# Altium PCB RFSoC-AMC.PcbDoc (part 2 of 12) (continued)
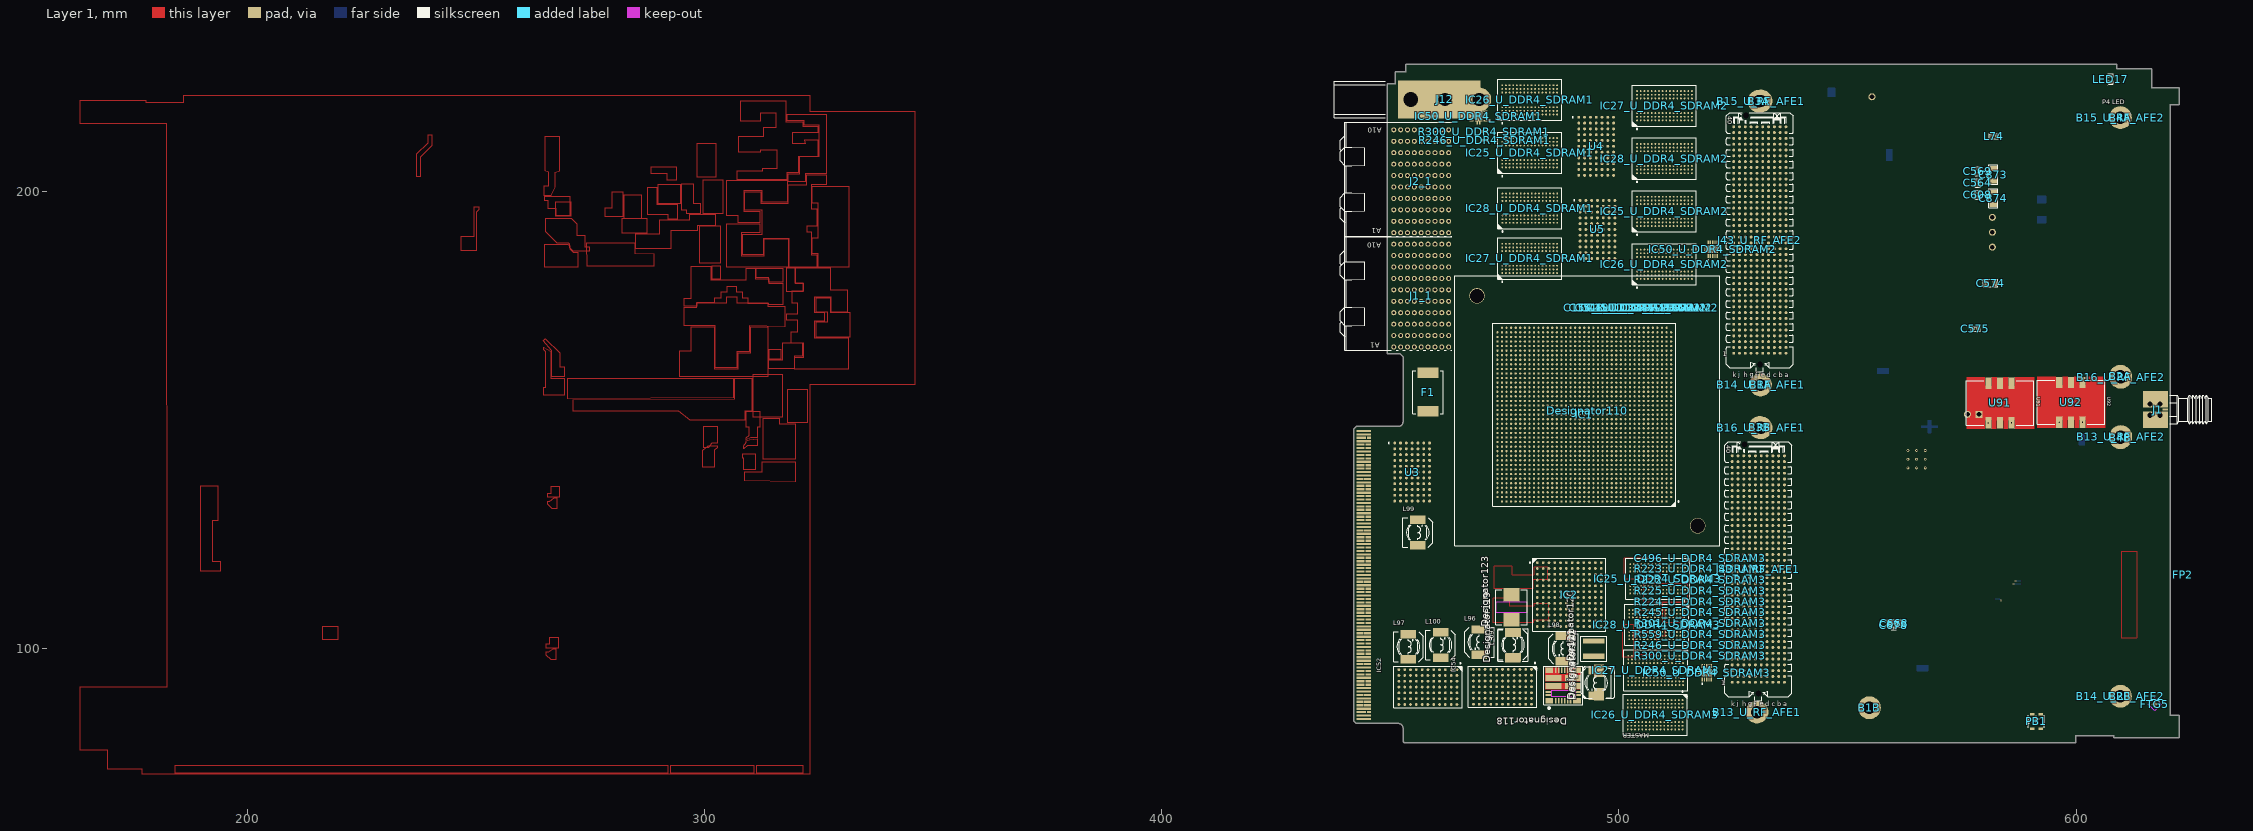
[diagram p0: Layer 1 view]
## Components (designator, comment, footprint, x,y, rotation, side; value= is the part's Value field where it differs from the comment) (continued)
R236_U_DDR4_SDRAM3 "39" RESC1005X40N 508.484,108.094 r90 bottom (schematic designator R236)
R237_U_DDR4_SDRAM1 "39" RESC1005X40N 472.142,214.107 r90 bottom (schematic designator R237)
R237_U_DDR4_SDRAM2 "39" RESC1005X40N 510.909,188.711 r180 bottom (schematic designator R237)
R237_U_DDR4_SDRAM3 "39" RESC1005X40N 508.484,110.472 r90 bottom (schematic designator R237)
R238_U_DDR4_SDRAM1 "39" RESC1005X40N 472.142,206.973 r90 bottom (schematic designator R238)
R238_U_DDR4_SDRAM2 "39" RESC1005X40N 510.909,193.385 r180 bottom (schematic designator R238)
R238_U_DDR4_SDRAM3 "39" RESC1005X40N 508.484,103.338 r90 bottom (schematic designator R238)
R239_U_DDR4_SDRAM1 "39" RESC1005X40N 472.142,209.351 r90 bottom (schematic designator R239)
R239_U_DDR4_SDRAM2 "39" RESC1005X40N 510.909,191.827 r180 bottom (schematic designator R239)
R239_U_DDR4_SDRAM3 "39" RESC1005X40N 508.484,105.716 r90 bottom (schematic designator R239)
R240_U_DDR4_SDRAM1 "39" RESC1005X40N 472.142,216.485 r90 bottom (schematic designator R240)
R240_U_DDR4_SDRAM2 "39" RESC1005X40N 510.909,187.153 r180 bottom (schematic designator R240)
R240_U_DDR4_SDRAM3 "39" RESC1005X40N 508.484,112.85 r90 bottom (schematic designator R240)
R241_U_DDR4_SDRAM1 "39" RESC1005X40N 481.201,196.928 r90 bottom (schematic designator R241)
R241_U_DDR4_SDRAM2 "39" RESC1005X40N 513.287,213.639 r180 bottom (schematic designator R241)
R241_U_DDR4_SDRAM3 "39" RESC1005X40N 508.484,119.984 r90 bottom (schematic designator R241)
R242_U_DDR4_SDRAM1 "39" RESC1005X40N 481.201,199.306 r90 bottom (schematic designator R242)
R242_U_DDR4_SDRAM2 "39" RESC1005X40N 513.287,212.081 r180 bottom (schematic designator R242)
R242_U_DDR4_SDRAM3 "39" RESC1005X40N 506.926,81.936 r90 bottom (schematic designator R242)
R243_U_DDR4_SDRAM1 "39" RESC1005X40N 481.201,192.172 r90 bottom (schematic designator R243)
R243_U_DDR4_SDRAM2 "39" RESC1005X40N 510.909,185.595 r180 bottom (schematic designator R243)
R243_U_DDR4_SDRAM3 "39" RESC1005X40N 508.484,115.228 r90 bottom (schematic designator R243)
R244_U_DDR4_SDRAM1 "39" RESC1005X40N 481.201,194.55 r90 bottom (schematic designator R244)
R244_U_DDR4_SDRAM2 "39" RESC1005X40N 510.909,184.037 r180 bottom (schematic designator R244)
R244_U_DDR4_SDRAM3 "39" RESC1005X40N 508.484,117.606 r90 bottom (schematic designator R244)
R245_U_DDR4_SDRAM1 "39" RESC1005X40N 473.7,197.461 r90 bottom (schematic designator R245)
R245_U_DDR4_SDRAM2 "39" RESC1005X40N 517.286,192.129 r180 bottom (schematic designator R245)
R245_U_DDR4_SDRAM3 "39" RESC1005X40N 517.748,107.932 r90 top (schematic designator R245)
R246_U_DDR4_SDRAM1 "39" RESC1005X40N 470.713,211.201 r180 top (schematic designator R246)
R246_U_DDR4_SDRAM2 "39" RESC1005X40N 517.286,196.803 r180 bottom (schematic designator R246)
R246_U_DDR4_SDRAM3 "39" RESC1005X40N 517.748,100.798 r90 top (schematic designator R246)
R300_U_DDR4_SDRAM1 "10k" RESC1005X40N 470.56,213.106 r180 top (schematic designator R300)
R300_U_DDR4_SDRAM2 "10k" RESC1005X40N 517.286,198.361 r180 bottom (schematic designator R300)
R300_U_DDR4_SDRAM3 "10k" RESC1005X40N 517.748,98.42 r90 top (schematic designator R300)
R301_U_DDR4_SDRAM1 "10k" RESC1005X40N 473.7,195.083 r90 bottom (schematic designator R301)
R301_U_DDR4_SDRAM2 "10k" RESC1005X40N 517.286,193.687 r180 bottom (schematic designator R301)
R301_U_DDR4_SDRAM3 "10k" RESC1005X40N 517.748,105.554 r90 top (schematic designator R301)
R358 "12.0K" 0201 555.019,103.582 r90 bottom
R359 "12.0K" 0201 557.254,103.582 r90 bottom
R360 "12.0K" 0201 562.842,103.582 r90 bottom
R366 "100" 0402 580.947,108.532 r0 bottom
R376 "4.70K" 0402 556.743,134.551 r90 bottom
R377 "DNP" 0402 570.759,134.184 r90 bottom
R378 "4.70K" 0402 560.059,134.551 r90 bottom
R379 "40.2" 0402 558.401,134.551 r90 bottom
R409 "475" 0402 578.026,184.885 r0 bottom
R410 "1.00K" 0402 578.026,183.227 r0 bottom
R472 "11.3K" 0402 578.026,191.517 r0 bottom
R473 "13.3K" 0402 578.026,189.859 r0 bottom
R474 "11.3K" 0402 578.026,188.201 r0 bottom
R475 "13.3K" 0402 578.026,181.569 r0 bottom
R477 "10" 0402 578.026,174.937 r0 bottom
R478 "10" 0402 578.026,173.279 r0 bottom
R479 "0.005" 1224_SMT 589.096,182.946 r90 bottom
R533 "10" 0402 578.026,171.621 r0 bottom
R534 "10" 0402 578.026,179.911 r0 bottom
R535 "0.005" 1224_SMT 589.096,175.268 r90 bottom
R536 "10" 0402 578.026,178.253 r0 bottom
R537 "10" 0402 578.026,176.595 r0 bottom
R538 "0.005" 1224_SMT 589.096,167.589 r90 bottom
R545 "330" 0402 552.842,102.109 r0 bottom
R552_U_ADC_PLL1 "100" 0402 547.511,165.77 r90 bottom (schematic designator R552)
R552_U_ADC_PLL2 "100" 0402 567.598,194.98 r180 bottom (schematic designator R552)
R554 "100" 0402 560.347,102.285 r90 bottom
R559_U_DDR4_SDRAM1 "10k" RESC1005X40N 473.7,192.705 r90 bottom (schematic designator R559)
R559_U_DDR4_SDRAM2 "10k" RESC1005X40N 517.286,195.245 r180 bottom (schematic designator R559)
R559_U_DDR4_SDRAM3 "10k" RESC1005X40N 517.748,103.176 r90 top (schematic designator R559)
R560_U_ADC_PLL1 "18" 0402 565.749,163.156 r90 bottom (schematic designator R560)
R560_U_ADC_PLL2 "18" 0402 559.757,196.638 r180 bottom (schematic designator R560)
R562_U_ADC_PLL1 "68.1" 0402 549.169,165.77 r90 bottom (schematic designator R562)
R562_U_ADC_PLL2 "68.1" 0402 557.143,196.638 r180 bottom (schematic designator R562)
R563_U_ADC_PLL1 "10.0K" 0402 552.485,165.77 r90 bottom (schematic designator R563)
R563_U_ADC_PLL2 "10.0K" 0402 554.529,196.638 r180 bottom (schematic designator R563)
R564_U_ADC_PLL1 "DNP" 0402 550.827,165.77 r90 bottom (schematic designator R564)
R564_U_ADC_PLL2 "DNP" 0402 557.143,194.98 r180 bottom (schematic designator R564)
R565_U_ADC_PLL1 "330" 0402 559.117,163.156 r90 bottom (schematic designator R565)
R565_U_ADC_PLL2 "330" 0402 554.529,194.98 r180 bottom (schematic designator R565)
R581 "0" 0402 558.841,100.583 r90 bottom
R582 "18" 0402 562.005,102.285 r90 bottom
R583 "68.1" 0402 565.321,102.285 r90 bottom
R584 "10.0K" 0402 563.663,102.285 r90 bottom
R585 "DNP" 0402 557.183,100.583 r90 bottom
R621 "43.0" 0402 583.561,108.532 r0 bottom
R622 "43.0" 0402 586.175,108.532 r0 bottom
R623 "240" 0402 599.446,135.995 r0 bottom
R624 "240" 0402 591.605,135.995 r0 bottom
R627 "240" 0402 594.218,135.995 r0 bottom
R628 "240" 0402 602.06,135.995 r0 bottom
R631 "240" 0402 581.149,134.337 r0 bottom
R632 "240" 0402 583.763,134.337 r0 bottom
R635 "0" 0402 575.922,134.337 r0 bottom
R636 "43.0" 0402 578.333,108.532 r0 bottom
R637 "100" 0402 587.838,96.213 r0 bottom
R640 "DNP" 0402 578.536,134.337 r0 bottom
R641 "DNP" 0402 584.574,144.728 r0 bottom
R642 "DNP" 0402 588.991,135.995 r0 bottom
R643 "DNP" 0402 599.446,137.653 r0 bottom
R644 "95.3" 0402 602.06,137.653 r0 bottom
R645 "82.5" 0402 594.218,137.653 r0 bottom
R646 "82.5" 0402 596.832,137.653 r0 bottom
R647 "49.9" 0402 575.922,135.995 r0 bottom
R648 "0" 0402 583.763,135.995 r0 bottom
R649 "0" 0402 586.377,135.995 r0 bottom
R650 "1.00K" 0402 578.536,135.995 r0 bottom
R651 "220K" 0402 581.149,135.995 r0 bottom
R652 "330" 0402 581.96,143.071 r0 bottom
R653 "17.8" 0402 610.112,160.069 r0 bottom
R654 "49.9" 0402 611.211,161.389 r0 bottom
R655 "270" 0402 603.37,161.389 r0 bottom
R656 "270" 0402 605.983,161.389 r0 bottom
R657 "DNP" 0402 608.597,161.389 r0 bottom
R658 "10" 0402 577.914,148.982 r90 bottom
R659 "0" 0402 576.256,151.595 r90 bottom
R660 "DNP" 0402 576.256,148.982 r90 bottom
R661 "DNP" 0402 577.914,146.368 r90 bottom
R662 "49.9" 0402 577.914,143.754 r90 bottom
R667 "2.61K" 0402 561.13,220.378 r270 bottom
R669 "464" 0402 559.472,220.378 r270 bottom
R677_U_ADC_PLL1 "0" 0402 557.459,163.156 r90 bottom (schematic designator R677)
R677_U_ADC_PLL2 "0" 0402 551.916,194.98 r180 bottom (schematic designator R677)
R678 "0" 0402 557.257,103.022 r90 bottom
R706_U_ADC_PLL1 "49.9" 0402 560.775,163.156 r90 bottom (schematic designator R706)
R706_U_ADC_PLL2 "49.9" 0402 564.985,194.98 r180 bottom (schematic designator R706)
R707_U_ADC_PLL1 "49.9" 0402 564.091,163.156 r90 bottom (schematic designator R707)
R707_U_ADC_PLL2 "49.9" 0402 562.371,194.98 r180 bottom (schematic designator R707)
R708_U_ADC_PLL1 "49.9" 0402 562.433,163.156 r90 bottom (schematic designator R708)
R708_U_ADC_PLL2 "49.9" 0402 559.757,194.98 r180 bottom (schematic designator R708)
R713 "49.9" 0402 555.599,103.022 r90 bottom
R714 "49.9" 0402 558.915,103.022 r90 bottom
R715 "49.9" 0402 555.525,100.583 r90 bottom
R716 "49.9" 0402 553.867,100.583 r90 bottom
U1_U_ADC_PLL1 "LMX2594RHAT" VQFN_40_RHA_EP4_5MM 562.174,173.938 r180 bottom (schematic designator U1)
U1_U_ADC_PLL2 "LMX2594RHAT" VQFN_40_RHA_EP4_5MM 565.162,205.226 r90 bottom (schematic designator U1)
U2 "LMX2594RHAT" VQFN_40_RHA_EP4_5MM 564.95,110.526 r270 bottom
U3 "LTM4644IY#PBF" LT-BGA-77-05-08-1900_V 454.787,138.633 r0 top
U4 "LTM4644IY#PBF" LT-BGA-77-05-08-1900_V 495.046,209.88 r0 top
U5 "LTM4644IY#PBF" LT-BGA-77-05-08-1900_V 495.325,191.694 r0 top
U50 "SI5341B" OSC_SI341B_64P 565.118,141.453 r180 bottom
U71 "INA226" DGS_MSOP_10 592.926,204.127 r90 bottom
U72 "IFX1763" PG_TSON_10 592.477,189.404 r90 bottom
U78 "ISL80112" DFN_10P_3X3_ISL80 592.501,193.82 r90 bottom
U84 "INA226" DGS_MSOP_10 581.169,167.843 r90 bottom
U85 "INA226" DGS_MSOP_10 592.926,211.124 r90 bottom
U90 "LMK04208" WQFN_64_EP 594.865,148.577 r90 bottom
U91 "VX-501-0251-122M88" OSC_VECTRON_TX500 583.336,153.74 r90 top
U92 "TCXO 12.8MHZ 3.3V HCMOS" OSC_VECTRON_TX500 598.856,153.873 r90 top
U98 "LMK00304SQ" WQFN_32 586.641,100.532 r180 bottom
U100 "ISL80103" DFN_10P_3X3_ISL80 546.51,221.667 r0 bottom
U101 "ISL80112" DFN_10P_3X3_ISL80 592.501,198.236 r90 bottom
U106 "LMK00804BPW" TSSOP_16 585.085,112.54 r180 bottom
X7 "48.00MHZ" XTAL_FA238A 567.926,148.552 r180 bottom
Z41 "0201_SHORT" 0201_SHORT 578.482,195.14 r0 bottom
Z42 "0201_SHORT" 0201_SHORT 578.482,192.905 r0 bottom
Z43 "0201_SHORT" 0201_SHORT 578.482,194.023 r0 bottom

## Footprints (in the part's own frame and the unit in brackets; to place one, negate y for a bottom-side part, rotate by r counter-clockwise, add the part's x,y. Pads: shape width x height; smd on the part's side, far side on the other; paste and mask are expansions set on the pad)
0201 [mm] "0201"
  rect 0.38x0.38 smd: 1(-0.292,0) 2(0.292,0)
  body extent -0.58,-0.3 0.58,0.3, height 3.81
0201_SHORT [mil] "0201_SHORT"
  rect 14.96x14.96 smd: 1(-11.5,0)
  oct 1x1 smd: 2(11.5,0)
  body extent -23,-12 23,12, height 150
0402 [mm]
  rect 0.6x0.6 smd: 1(-0.45,0) 2(0.45,0)
  silkscreen extent -0.99,-0.5 0.97,0.5, body extent -0.52,-0.27 0.53,0.28, height 0.4
0805 [mm]
  rect 1x1.25 smd: 1(-0.889,0) 2(0.889,0)
  silkscreen extent -1.57,-0.81 1.57,0.81, body extent -1.1,-0.67 1.1,0.68, height 0.5
1206 [mm]
  rect 1.1x1.65 smd: 1(-1.372,0) 2(1.372,0)
  silkscreen extent -2.11,-1.02 2.11,1.02, body extent -1.67,-0.87 1.68,0.88, height 0.65
1224_SMT [mm] "1224_SMT"
  rect 1.4x3.3 smd: I1(-1.8,-2.15) I2(1.8,-2.15) V1(-1.8,2.15) V2(1.8,2.15)
  silkscreen extent -2.82,-4.12 2.82,4.12, body extent -3.18,-4.44 3.18,4.44, height 3.81
342947 [mm] "AAVID 342947"
  round 3.4 hole 3.1: 1(-24.14,25.15) 2(24.13,-25.15)
  silkscreen extent -28.95,-29.5 28.95,29.5, body extent -28.95,-29.5 28.95,29.5, height 14.5
AMC-GF-2D-750-O274 [mm] "Golden finger, AMC, Dual, Opposite, Pitch 0.75mm, 170-Position"
  rect 0.48x3.1 smd far side paste-3.4: 1(-31.5,0) 2(-30.75,0) 4(-29.25,0) 7(-27,0) 9(-25.5,0) 10(-24.75,0) 13(-22.5,0) 16(-20.25,0) 18(-18.75,0) 19(-18,0) 22(-15.75,0) 25(-13.5,0) 27(-12,0) 28(-11.25,0) 31(-9,0) 34(-6.75,0) 37(-4.5,0) 40(-2.25,0) 42(-0.75,0) 43(0,0) 46(2.25,0) 49(4.5,0) 52(6.75,0) 55(9,0) 57(10.5,0) 58(11.25,0) 61(13.5,0) 64(15.75,0) 67(18,0) 70(20.25,0) 72(21.75,0) 73(22.5,0) 76(24.75,0) 79(27,0) 82(29.25,0) 84(30.75,0) 85(31.5,0)
  rect 0.48x0.9 smd far side paste-3.4: 3(-30,1.1) 83(30,1.1)
  rect 0.48x1.575 smd far side paste-3.4: 5(-28.5,0.763) 6(-27.75,0.763) 8(-26.25,0.763) 17(-19.5,0.763) 26(-12.75,0.763) 41(-1.5,0.763) 56(9.75,0.763) 71(21,0.763)
  rect 0.48x1.2 smd far side paste-3.4: 11(-24,0.95) 12(-23.25,0.95) 14(-21.75,0.95) 15(-21,0.95) 20(-17.25,0.95) 21(-16.5,0.95) 23(-15,0.95) 24(-14.25,0.95) 29(-10.5,0.95) 30(-9.75,0.95) 32(-8.25,0.95) 33(-7.5,0.95) 35(-6,0.95) 36(-5.25,0.95) 38(-3.75,0.95) 39(-3,0.95) 44(0.75,0.95) 45(1.5,0.95) 47(3,0.95) 48(3.75,0.95) 50(5.25,0.95) 51(6,0.95) 53(7.5,0.95) 54(8.25,0.95) 59(12,0.95) 60(12.75,0.95) 62(14.25,0.95) 63(15,0.95) 65(16.5,0.95) 66(17.25,0.95) 68(18.75,0.95) 69(19.5,0.95) 74(23.25,0.95) 75(24,0.95) 77(25.5,0.95) 78(26.25,0.95) 80(27.75,0.95) 81(28.5,0.95)
  rect 0.48x3.1 smd paste-3.4: 86(31.5,0) 89(29.25,0) 92(27,0) 95(24.75,0) 98(22.5,0) 101(20.25,0) 104(18,0) 107(15.75,0) 110(13.5,0) 113(11.25,0) 116(9,0) 119(6.75,0) 122(4.5,0) 125(2.25,0) 128(0,0) 131(-2.25,0) 134(-4.5,0) 137(-6.75,0) 140(-9,0) 143(-11.25,0) 146(-13.5,0) 149(-15.75,0) 152(-18,0) 155(-20.25,0) 158(-22.5,0) 161(-24.75,0) 164(-27,0) 170(-31.5,0)
  rect 0.48x1.2 smd paste-3.4: 87(30.75,0.95) 88(30,0.95) 90(28.5,0.95) 91(27.75,0.95) 93(26.25,0.95) 94(25.5,0.95) 96(24,0.95) 97(23.25,0.95) 99(21.75,0.95) 100(21,0.95) 102(19.5,0.95) 103(18.75,0.95) 105(17.25,0.95) 106(16.5,0.95) 108(15,0.95) 109(14.25,0.95) 111(12.75,0.95) 112(12,0.95) 114(10.5,0.95) 115(9.75,0.95) 117(8.25,0.95) 118(7.5,0.95) 120(6,0.95) 121(5.25,0.95) 123(3.75,0.95) 124(3,0.95) 126(1.5,0.95) 127(0.75,0.95) 129(-0.75,0.95) 130(-1.5,0.95) 132(-3,0.95) 133(-3.75,0.95) 135(-5.25,0.95) 136(-6,0.95) 138(-7.5,0.95) 139(-8.25,0.95) 141(-9.75,0.95) 142(-10.5,0.95) 144(-12,0.95) 145(-12.75,0.95) 147(-14.25,0.95) 148(-15,0.95) 150(-16.5,0.95) 151(-17.25,0.95) 153(-18.75,0.95) 154(-19.5,0.95) 156(-21,0.95) 157(-21.75,0.95) 159(-23.25,0.95) 160(-24,0.95) 162(-25.5,0.95) 163(-26.25,0.95)
  rect 0.48x1.575 smd paste-3.4: 165(-27.75,0.763) 166(-28.5,0.763) 167(-29.25,0.763) 168(-30,0.763) 169(-30.75,0.763)
  rect 0.48x1.325 smd far side paste-3.4: 171(-1.5,-0.887) 173(-12.75,-0.887) 178(-19.5,-0.887) 183(-26.25,-0.887) 184(-27.75,-0.887) 185(-28.5,-0.887) 204(21,-0.887) 218(9.75,-0.887)
  rect 0.48x1.7 smd far side paste-3.4: 172(-10.5,-0.7) 174(-14.25,-0.7) 175(-15,-0.7) 176(-16.5,-0.7) 177(-17.25,-0.7) 179(-21,-0.7) 180(-21.75,-0.7) 181(-23.25,-0.7) 182(-24,-0.7) 186(-3,-0.7) 187(-3.75,-0.7) 189(-5.25,-0.7) 190(-6,-0.7) 191(-7.5,-0.7) 192(-8.25,-0.7) 193(-9.75,-0.7) 194(0.75,-0.7) 195(1.5,-0.7) 196(12,-0.7) 197(12.75,-0.7) 198(14.25,-0.7) 199(15,-0.7) 200(16.5,-0.7) 201(17.25,-0.7) 202(18.75,-0.7) 203(19.5,-0.7) 205(23.25,-0.7) 206(24,-0.7) 207(25.5,-0.7) 208(26.25,-0.7) 209(27.75,-0.7) 210(28.5,-0.7) 211(3,-0.7) 212(3.75,-0.7) 214(5.25,-0.7) 215(6,-0.7) 216(7.5,-0.7) 217(8.25,-0.7)
  rect 0.48x2 smd far side paste-3.4: 188(-30,-0.55) 213(30,-0.55)
  rect 0.48x1.7 smd paste-3.4: 219(-0.75,-0.7) 220(-1.5,-0.7) 221(-10.5,-0.7) 222(-12,-0.7) 223(-12.75,-0.7) 224(-14.25,-0.7) 225(-15,-0.7) 226(-16.5,-0.7) 227(-17.25,-0.7) 228(-18.75,-0.7) 229(-19.5,-0.7) 230(-21,-0.7) 231(-21.75,-0.7) 232(-23.25,-0.7) 233(-24,-0.7) 234(-25.5,-0.7) 235(-26.25,-0.7) 239(-3,-0.7) 240(-3.75,-0.7) 243(-5.25,-0.7) 244(-6,-0.7) 245(-7.5,-0.7) 246(-8.25,-0.7) 247(-9.75,-0.7) 248(0.75,-0.7) 249(1.5,-0.7) 250(10.5,-0.7) 251(12,-0.7) 251(12.75,-0.7) 252(14.25,-0.7) 253(15,-0.7) 254(16.5,-0.7) 255(17.25,-0.7) 256(18.75,-0.7) 257(19.5,-0.7) 258(21,-0.7) 259(21.75,-0.7) 260(23.25,-0.7) 261(24,-0.7) 262(25.5,-0.7) 263(26.25,-0.7) 264(27.75,-0.7) 265(28.5,-0.7) 266(3,-0.7) 267(3.75,-0.7) 268(30,-0.7) 269(30.75,-0.7) 270(5.25,-0.7) 271(6,-0.7) 272(7.5,-0.7) 273(8.25,-0.7) 274(9.75,-0.7)
  rect 0.48x1.325 smd paste-3.4: 236(-27.75,-0.887) 237(-28.5,-0.887) 238(-29.25,-0.887) 241(-30,-0.887) 242(-30.75,-0.887)
BGA77C127P7X11_900X1500X512 [mm]
  round 0.6 smd paste+0 mask+0.01: A1(-3.81,6.35) A2(-2.54,6.35) A3(-1.27,6.35) A4(0,6.35) A5(1.27,6.35) A6(2.54,6.35) A7(3.81,6.35) B1(-3.81,5.08) B2(-2.54,5.08) B3(-1.27,5.08) B4(0,5.08) B5(1.27,5.08) B6(2.54,5.08) B7(3.81,5.08) C1(-3.81,3.81) C2(-2.54,3.81) C3(-1.27,3.81) C4(0,3.81) C5(1.27,3.81) C6(2.54,3.81) C7(3.81,3.81) D1(-3.81,2.54) D2(-2.54,2.54) D3(-1.27,2.54) D4(0,2.54) D5(1.27,2.54) D6(2.54,2.54) D7(3.81,2.54) E1(-3.81,1.27) E2(-2.54,1.27) E3(-1.27,1.27) E4(0,1.27) E5(1.27,1.27) E6(2.54,1.27) E7(3.81,1.27) F1(-3.81,0) F2(-2.54,0) F3(-1.27,0) F4(0,0) F5(1.27,0) F6(2.54,0) F7(3.81,0) G1(-3.81,-1.27) G2(-2.54,-1.27) G3(-1.27,-1.27) G4(0,-1.27) G5(1.27,-1.27) G6(2.54,-1.27) G7(3.81,-1.27) H1(-3.81,-2.54) H2(-2.541,-2.54) H3(-1.27,-2.54) H4(-0.001,-2.54) H5(1.27,-2.54) H6(2.54,-2.54) H7(3.81,-2.54) J1(-3.81,-3.81) J2(-2.54,-3.81) J3(-1.27,-3.81) J4(0,-3.81) J5(1.27,-3.81) J6(2.54,-3.81) J7(3.81,-3.81) K1(-3.81,-5.08) K2(-2.54,-5.08) K3(-1.27,-5.08) K4(0,-5.08) K5(1.27,-5.08) K6(2.54,-5.08) K7(3.81,-5.08) L1(-3.81,-6.35) L2(-2.54,-6.35) L3(-1.27,-6.35) L4(0,-6.35) L5(1.27,-6.35) L6(2.54,-6.35) L7(3.81,-6.35)
  silkscreen extent -5.33,-7.5 4.5,7.5, body extent -4.11,-6.65 4.11,6.65, height 5.12
BGA96C80P9X16_900X1400X120 [mm] "BGA 0.8mm, Pitch, Square 96 Pin, 9 Columns x 16 Rows, Body 14mm X 9mm X 1.2mm H"
  round 0.4 smd: A1(-3.2,6) A2(-2.4,6) A3(-1.6,6) A7(1.6,6) A8(2.4,6) A9(3.2,6) B1(-3.2,5.2) B2(-2.4,5.2) B3(-1.6,5.2) B7(1.6,5.2) B8(2.4,5.2) B9(3.2,5.2) C1(-3.2,4.4) C2(-2.4,4.4) C3(-1.6,4.4) C7(1.6,4.4) C8(2.4,4.4) C9(3.2,4.4) D1(-3.2,3.6) D2(-2.4,3.6) D3(-1.6,3.6) D7(1.6,3.6) D8(2.4,3.6) D9(3.2,3.6) E1(-3.2,2.8) E2(-2.4,2.8) E3(-1.6,2.8) E7(1.6,2.8) E8(2.4,2.8) E9(3.2,2.8) F1(-3.2,2) F2(-2.4,2) F3(-1.6,2) F7(1.6,2) F8(2.4,2) F9(3.2,2) G1(-3.2,1.2) G2(-2.4,1.2) G3(-1.6,1.2) G7(1.6,1.2) G8(2.4,1.2) G9(3.2,1.2) H1(-3.2,0.4) H2(-2.4,0.4) H3(-1.6,0.4) H7(1.6,0.4) H8(2.4,0.4) H9(3.2,0.4) J1(-3.2,-0.4) J2(-2.4,-0.4) J3(-1.6,-0.4) J7(1.6,-0.4) J8(2.4,-0.4) J9(3.2,-0.4) K1(-3.2,-1.2) K2(-2.4,-1.2) K3(-1.6,-1.2) K7(1.6,-1.2) K8(2.4,-1.2) K9(3.2,-1.2) L1(-3.2,-2) L2(-2.4,-2) L3(-1.6,-2) L7(1.6,-2) L8(2.4,-2) L9(3.2,-2) M1(-3.2,-2.8) M2(-2.4,-2.8) M3(-1.6,-2.8) M7(1.6,-2.8) M8(2.4,-2.8) M9(3.2,-2.8) N1(-3.2,-3.6) N2(-2.4,-3.6) N3(-1.6,-3.6) N7(1.6,-3.6) N8(2.4,-3.6) N9(3.2,-3.6) P1(-3.2,-4.4) P2(-2.4,-4.4) P3(-1.6,-4.4) P7(1.6,-4.4) P8(2.4,-4.4) P9(3.2,-4.4) R1(-3.2,-5.2) R2(-2.4,-5.2) R3(-1.6,-5.2) R7(1.6,-5.2) R8(2.4,-5.2) R9(3.2,-5.2) T1(-3.2,-6) T2(-2.4,-6) T3(-1.6,-6) T7(1.6,-6) T8(2.4,-6) T9(3.2,-6)
  silkscreen extent -5.22,-7 4.5,7, body extent -4.57,-7.07 4.58,7.08, height 1.2
BGA144C127P12X12_1600X1600X521 [mm] "BGA, 1.27mm Pitch, Square; 144 Pin, 12 Columns X 12 Rows,16.00mm X 16.00mm X 5.21mm H"
  round 0.6 smd: A1(-6.985,6.985) A2(-5.715,6.985) A3(-4.445,6.985) A4(-3.175,6.985) A5(-1.905,6.985) A6(-0.635,6.985) A7(0.635,6.985) A8(1.905,6.985) A9(3.175,6.985) A10(4.445,6.985) A11(5.715,6.985) A12(6.985,6.985) B1(-6.985,5.715) B2(-5.715,5.715) B3(-4.445,5.715) B4(-3.175,5.715) B5(-1.905,5.715) B6(-0.635,5.715) B7(0.635,5.715) B8(1.905,5.715) B9(3.175,5.715) B10(4.445,5.715) B11(5.715,5.715) B12(6.985,5.715) C1(-6.985,4.445) C2(-5.715,4.445) C3(-4.445,4.445) C4(-3.175,4.445) C5(-1.905,4.445) C6(-0.635,4.445) C7(0.635,4.445) C8(1.905,4.445) C9(3.175,4.445) C10(4.445,4.445) C11(5.715,4.445) C12(6.985,4.445) D1(-6.985,3.175) D2(-5.715,3.175) D3(-4.445,3.175) D4(-3.175,3.175) D5(-1.905,3.175) D6(-0.635,3.175) D7(0.635,3.175) D8(1.905,3.175) D9(3.175,3.175) D10(4.445,3.175) D11(5.715,3.175) D12(6.985,3.175) E1(-6.985,1.905) E2(-5.715,1.905) E3(-4.445,1.905) E4(-3.175,1.905) E5(-1.905,1.905) E6(-0.635,1.905) E7(0.635,1.905) E8(1.905,1.905) E9(3.175,1.905) E10(4.445,1.905) E11(5.715,1.905) E12(6.985,1.905) F1(-6.985,0.635) F2(-5.715,0.635) F3(-4.445,0.635) F4(-3.175,0.635) F5(-1.905,0.635) F6(-0.635,0.635) F7(0.635,0.635) F8(1.905,0.635) F9(3.175,0.635) F10(4.445,0.635) F11(5.715,0.635) F12(6.985,0.635) G1(-6.985,-0.635) G2(-5.715,-0.635) G3(-4.445,-0.635) G4(-3.175,-0.635) G5(-1.905,-0.635) G6(-0.635,-0.635) G7(0.635,-0.635) G8(1.905,-0.635) G9(3.175,-0.635) G10(4.445,-0.635) G11(5.715,-0.635) G12(6.985,-0.635) H1(-6.985,-1.905) H2(-5.715,-1.905) H3(-4.445,-1.905) H4(-3.175,-1.905) H5(-1.905,-1.905) H6(-0.635,-1.905) H7(0.635,-1.905) H8(1.905,-1.905) H9(3.175,-1.905) H10(4.445,-1.905) H11(5.715,-1.905) H12(6.985,-1.905) J1(-6.985,-3.175) J2(-5.715,-3.175) J3(-4.445,-3.175) J4(-3.175,-3.175) J5(-1.905,-3.175) J6(-0.635,-3.175) J7(0.635,-3.175) J8(1.905,-3.175) J9(3.175,-3.175) J10(4.445,-3.175) J11(5.715,-3.175) J12(6.985,-3.175) K1(-6.985,-4.445) K2(-5.715,-4.445) K3(-4.445,-4.445) K4(-3.175,-4.445) K5(-1.905,-4.445) K6(-0.635,-4.445) K7(0.635,-4.445) K8(1.905,-4.445) K9(3.175,-4.445) K10(4.445,-4.445) K11(5.715,-4.445) K12(6.985,-4.445) L1(-6.985,-5.715) L2(-5.715,-5.715) L3(-4.445,-5.715) L4(-3.175,-5.715) L5(-1.905,-5.715) L6(-0.635,-5.715) L7(0.635,-5.715) L8(1.905,-5.715) L9(3.175,-5.715) L10(4.445,-5.715) L11(5.715,-5.715) L12(6.985,-5.715) M1(-6.985,-6.985) M2(-5.715,-6.985) M3(-4.445,-6.985) M4(-3.175,-6.985) M5(-1.905,-6.985) M6(-0.635,-6.985) M7(0.635,-6.985) M8(1.905,-6.985) M9(3.175,-6.985) M10(4.445,-6.985) M11(5.715,-6.985) M12(6.985,-6.985)
  silkscreen extent -8.72,-8 8,8, body extent -8,-8 8,8, height 5.21
BGA324C80P18X18_1500X1500X150 [mm] "BGA, 0.80mm pitch, square; 324 pin, 18 columns X 18 rows,15.00mm X 15.00mm X 1.50mm H"
  round 0.4 smd: A1(-6.8,6.8) A2(-6,6.8) A3(-5.2,6.8) A4(-4.4,6.8) A5(-3.6,6.8) A6(-2.8,6.8) A7(-2,6.8) A8(-1.2,6.8) A9(-0.4,6.8) A10(0.4,6.8) A11(1.2,6.8) A12(2,6.8) A13(2.8,6.8) A14(3.6,6.8) A15(4.4,6.8) A16(5.2,6.8) A17(6,6.8) A18(6.8,6.8) B1(-6.8,6) B2(-6,6) B3(-5.2,6) B4(-4.4,6) B5(-3.6,6) B6(-2.8,6) B7(-2,6) B8(-1.2,6) B9(-0.4,6) B10(0.4,6) B11(1.2,6) B12(2,6) B13(2.8,6) B14(3.6,6) B15(4.4,6) B16(5.2,6) B17(6,6) B18(6.8,6) C1(-6.8,5.2) C2(-6,5.2) C3(-5.2,5.2) C4(-4.4,5.2) C5(-3.6,5.2) C6(-2.8,5.2) C7(-2,5.2) C8(-1.2,5.2) C9(-0.4,5.2) C10(0.4,5.2) C11(1.2,5.2) C12(2,5.2) C13(2.8,5.2) C14(3.6,5.2) C15(4.4,5.2) C16(5.2,5.2) C17(6,5.2) C18(6.8,5.2) D1(-6.8,4.4) D2(-6,4.4) D3(-5.2,4.4) D4(-4.4,4.4) D5(-3.6,4.4) D6(-2.8,4.4) D7(-2,4.4) D8(-1.2,4.4) D9(-0.4,4.4) D10(0.4,4.4) D11(1.2,4.4) D12(2,4.4) D13(2.8,4.4) D14(3.6,4.4) D15(4.4,4.4) D16(5.2,4.4) D17(6,4.4) D18(6.8,4.4) E1(-6.8,3.6) E2(-6,3.6) E3(-5.2,3.6) E4(-4.4,3.6) E5(-3.6,3.6) E6(-2.8,3.6) E7(-2,3.6) E8(-1.2,3.6) E9(-0.4,3.6) E10(0.4,3.6) E11(1.2,3.6) E12(2,3.6) E13(2.8,3.6) E14(3.6,3.6) E15(4.4,3.6) E16(5.2,3.6) E17(6,3.6) E18(6.8,3.6) F1(-6.8,2.8) F2(-6,2.8) F3(-5.2,2.8) F4(-4.4,2.8) F5(-3.6,2.8) F6(-2.8,2.8) F7(-2,2.8) F8(-1.2,2.8) F9(-0.4,2.8) F10(0.4,2.8) F11(1.2,2.8) F12(2,2.8) F13(2.8,2.8) F14(3.6,2.8) F15(4.4,2.8) F16(5.2,2.8) F17(6,2.8) F18(6.8,2.8) G1(-6.8,2) G2(-6,2) G3(-5.2,2) G4(-4.4,2) G5(-3.6,2) G6(-2.8,2) G7(-2,2) G8(-1.2,2) G9(-0.4,2) G10(0.4,2) G11(1.2,2) G12(2,2) G13(2.8,2) G14(3.6,2) G15(4.4,2) G16(5.2,2) G17(6,2) G18(6.8,2) H1(-6.8,1.2) H2(-6,1.2) H3(-5.2,1.2) H4(-4.4,1.2) H5(-3.6,1.2) H6(-2.8,1.2) H7(-2,1.2) H8(-1.2,1.2) H9(-0.4,1.2) H10(0.4,1.2) H11(1.2,1.2) H12(2,1.2) H13(2.8,1.2) H14(3.6,1.2) H15(4.4,1.2) H16(5.2,1.2) H17(6,1.2) H18(6.8,1.2) J1(-6.8,0.4) J2(-6,0.4) J3(-5.2,0.4) J4(-4.4,0.4) J5(-3.6,0.4) J6(-2.8,0.4) J7(-2,0.4) J8(-1.2,0.4) J9(-0.4,0.4) J10(0.4,0.4) J11(1.2,0.4) J12(2,0.4) J13(2.8,0.4) J14(3.6,0.4) J15(4.4,0.4) J16(5.2,0.4) J17(6,0.4) J18(6.8,0.4) K1(-6.8,-0.4) K2(-6,-0.4) K3(-5.2,-0.4) K4(-4.4,-0.4) K5(-3.6,-0.4) K6(-2.8,-0.4) K7(-2,-0.4) K8(-1.2,-0.4) K9(-0.4,-0.4) K10(0.4,-0.4) K11(1.2,-0.4) K12(2,-0.4) K13(2.8,-0.4) K14(3.6,-0.4) K15(4.4,-0.4) K16(5.2,-0.4) K17(6,-0.4) K18(6.8,-0.4) L1(-6.8,-1.2) L2(-6,-1.2) L3(-5.2,-1.2) L4(-4.4,-1.2) L5(-3.6,-1.2) L6(-2.8,-1.2) L7(-2,-1.2) L8(-1.2,-1.2) L9(-0.4,-1.2) L10(0.4,-1.2) L11(1.2,-1.2) L12(2,-1.2) L13(2.8,-1.2) L14(3.6,-1.2) L15(4.4,-1.2) L16(5.2,-1.2) L17(6,-1.2) L18(6.8,-1.2) M1(-6.8,-2) M2(-6,-2) M3(-5.2,-2) M4(-4.4,-2) M5(-3.6,-2) M6(-2.8,-2) M7(-2,-2) M8(-1.2,-2) M9(-0.4,-2) M10(0.4,-2) M11(1.2,-2) M12(2,-2) M13(2.8,-2) M14(3.6,-2) M15(4.4,-2) M16(5.2,-2) M17(6,-2) M18(6.8,-2) N1(-6.8,-2.8) N2(-6,-2.8) N3(-5.2,-2.8) N4(-4.4,-2.8) N5(-3.6,-2.8) N6(-2.8,-2.8) N7(-2,-2.8) N8(-1.2,-2.8) N9(-0.4,-2.8) N10(0.4,-2.8) N11(1.2,-2.8) N12(2,-2.8) N13(2.8,-2.8) N14(3.6,-2.8) N15(4.4,-2.8) N16(5.2,-2.8) N17(6,-2.8) N18(6.8,-2.8) P1(-6.8,-3.6) P2(-6,-3.6) P3(-5.2,-3.6) P4(-4.4,-3.6) P5(-3.6,-3.6) P6(-2.8,-3.6) P7(-2,-3.6) P8(-1.2,-3.6) P9(-0.4,-3.6) P10(0.4,-3.6) P11(1.2,-3.6) P12(2,-3.6) P13(2.8,-3.6) P14(3.6,-3.6) P15(4.4,-3.6) P16(5.2,-3.6) P17(6,-3.6) P18(6.8,-3.6) R1(-6.8,-4.4) R2(-6,-4.4) R3(-5.2,-4.4) R4(-4.4,-4.4) R5(-3.6,-4.4) R6(-2.8,-4.4) R7(-2,-4.4) R8(-1.2,-4.4) R9(-0.4,-4.4) R10(0.4,-4.4) R11(1.2,-4.4) R12(2,-4.4) R13(2.8,-4.4) R14(3.6,-4.4) R15(4.4,-4.4) R16(5.2,-4.4) R17(6,-4.4) R18(6.8,-4.4) T1(-6.8,-5.2) T2(-6,-5.2) T3(-5.2,-5.2) T4(-4.4,-5.2) T5(-3.6,-5.2) T6(-2.8,-5.2) T7(-2,-5.2) T8(-1.2,-5.2) T9(-0.4,-5.2) T10(0.4,-5.2) T11(1.2,-5.2) T12(2,-5.2) T13(2.8,-5.2) T14(3.6,-5.2) T15(4.4,-5.2) T16(5.2,-5.2) T17(6,-5.2) T18(6.8,-5.2) U1(-6.8,-6) U2(-6,-6) U3(-5.2,-6) U4(-4.4,-6) U5(-3.6,-6) U6(-2.8,-6) U7(-2,-6) U8(-1.2,-6) U9(-0.4,-6) U10(0.4,-6) U11(1.2,-6) U12(2,-6) U13(2.8,-6) U14(3.6,-6) U15(4.4,-6) U16(5.2,-6) U17(6,-6) U18(6.8,-6) V1(-6.8,-6.8) V2(-6,-6.8) V3(-5.2,-6.8) V4(-4.4,-6.8) V5(-3.6,-6.8) V6(-2.8,-6.8) V7(-2,-6.8) V8(-1.2,-6.8) V9(-0.4,-6.8) V10(0.4,-6.8) V11(1.2,-6.8) V12(2,-6.8) V13(2.8,-6.8) V14(3.6,-6.8) V15(4.4,-6.8) V16(5.2,-6.8) V17(6,-6.8) V18(6.8,-6.8)
  silkscreen extent -8.15,-7.5 7.5,7.5, body extent -7.5,-7.5 7.5,7.5, height 1.5
CAPC0603X33N [mm] "Chip Capacitor, Body 0.6x0.30mm, IPC Medium Density"
  rect 0.45x0.4 smd: 1(-0.35,0) 2(0.35,0)
  body extent -0.31,-0.16 0.32,0.17, height 0.33
CAPC1005X55N [mm] "Capacitor, Non-Polarized, Chip; 1.00mm L X 0.50mm W X 0.70mm H, IPC Medium Density"
  rect 0.62x0.62 smd: 1(-0.45,0) 2(0.45,0)
  body extent -0.52,-0.27 0.53,0.28, height 0.55
CAPC1608X87N [mm] "Chip Capacitor, Body 1.6x0.8mm IPC Medium Density"
  rect 0.95x1 smd: 1(-0.8,0) 2(0.8,0)
  body extent -0.87,-0.47 0.88,0.48, height 0.87
CINCH_142-0761-881 [mm] "SMA 50 Ohm High Frequency End Launch SMA Jack Receptacle (10mil Pin)"
  rect 1.27x0.406 smd: 1(0,0)
  round 1.5 hole 1.1: 2(1.115,1.219) 2(1.115,-1.219) 2(3.325,-1.219) 2(3.325,1.219)
  rect 5.5x3.595 smd: 2(2.115,2.252) 2(2.115,-2.253)
  silkscreen extent -10.16,-3.14 -0.93,3.13, body extent -10.15,-3.13 3.91,3.14, height 3.3